# Altium PCB uz_d_absolute_encoder.PcbDoc (part 1 of 2) (continued)
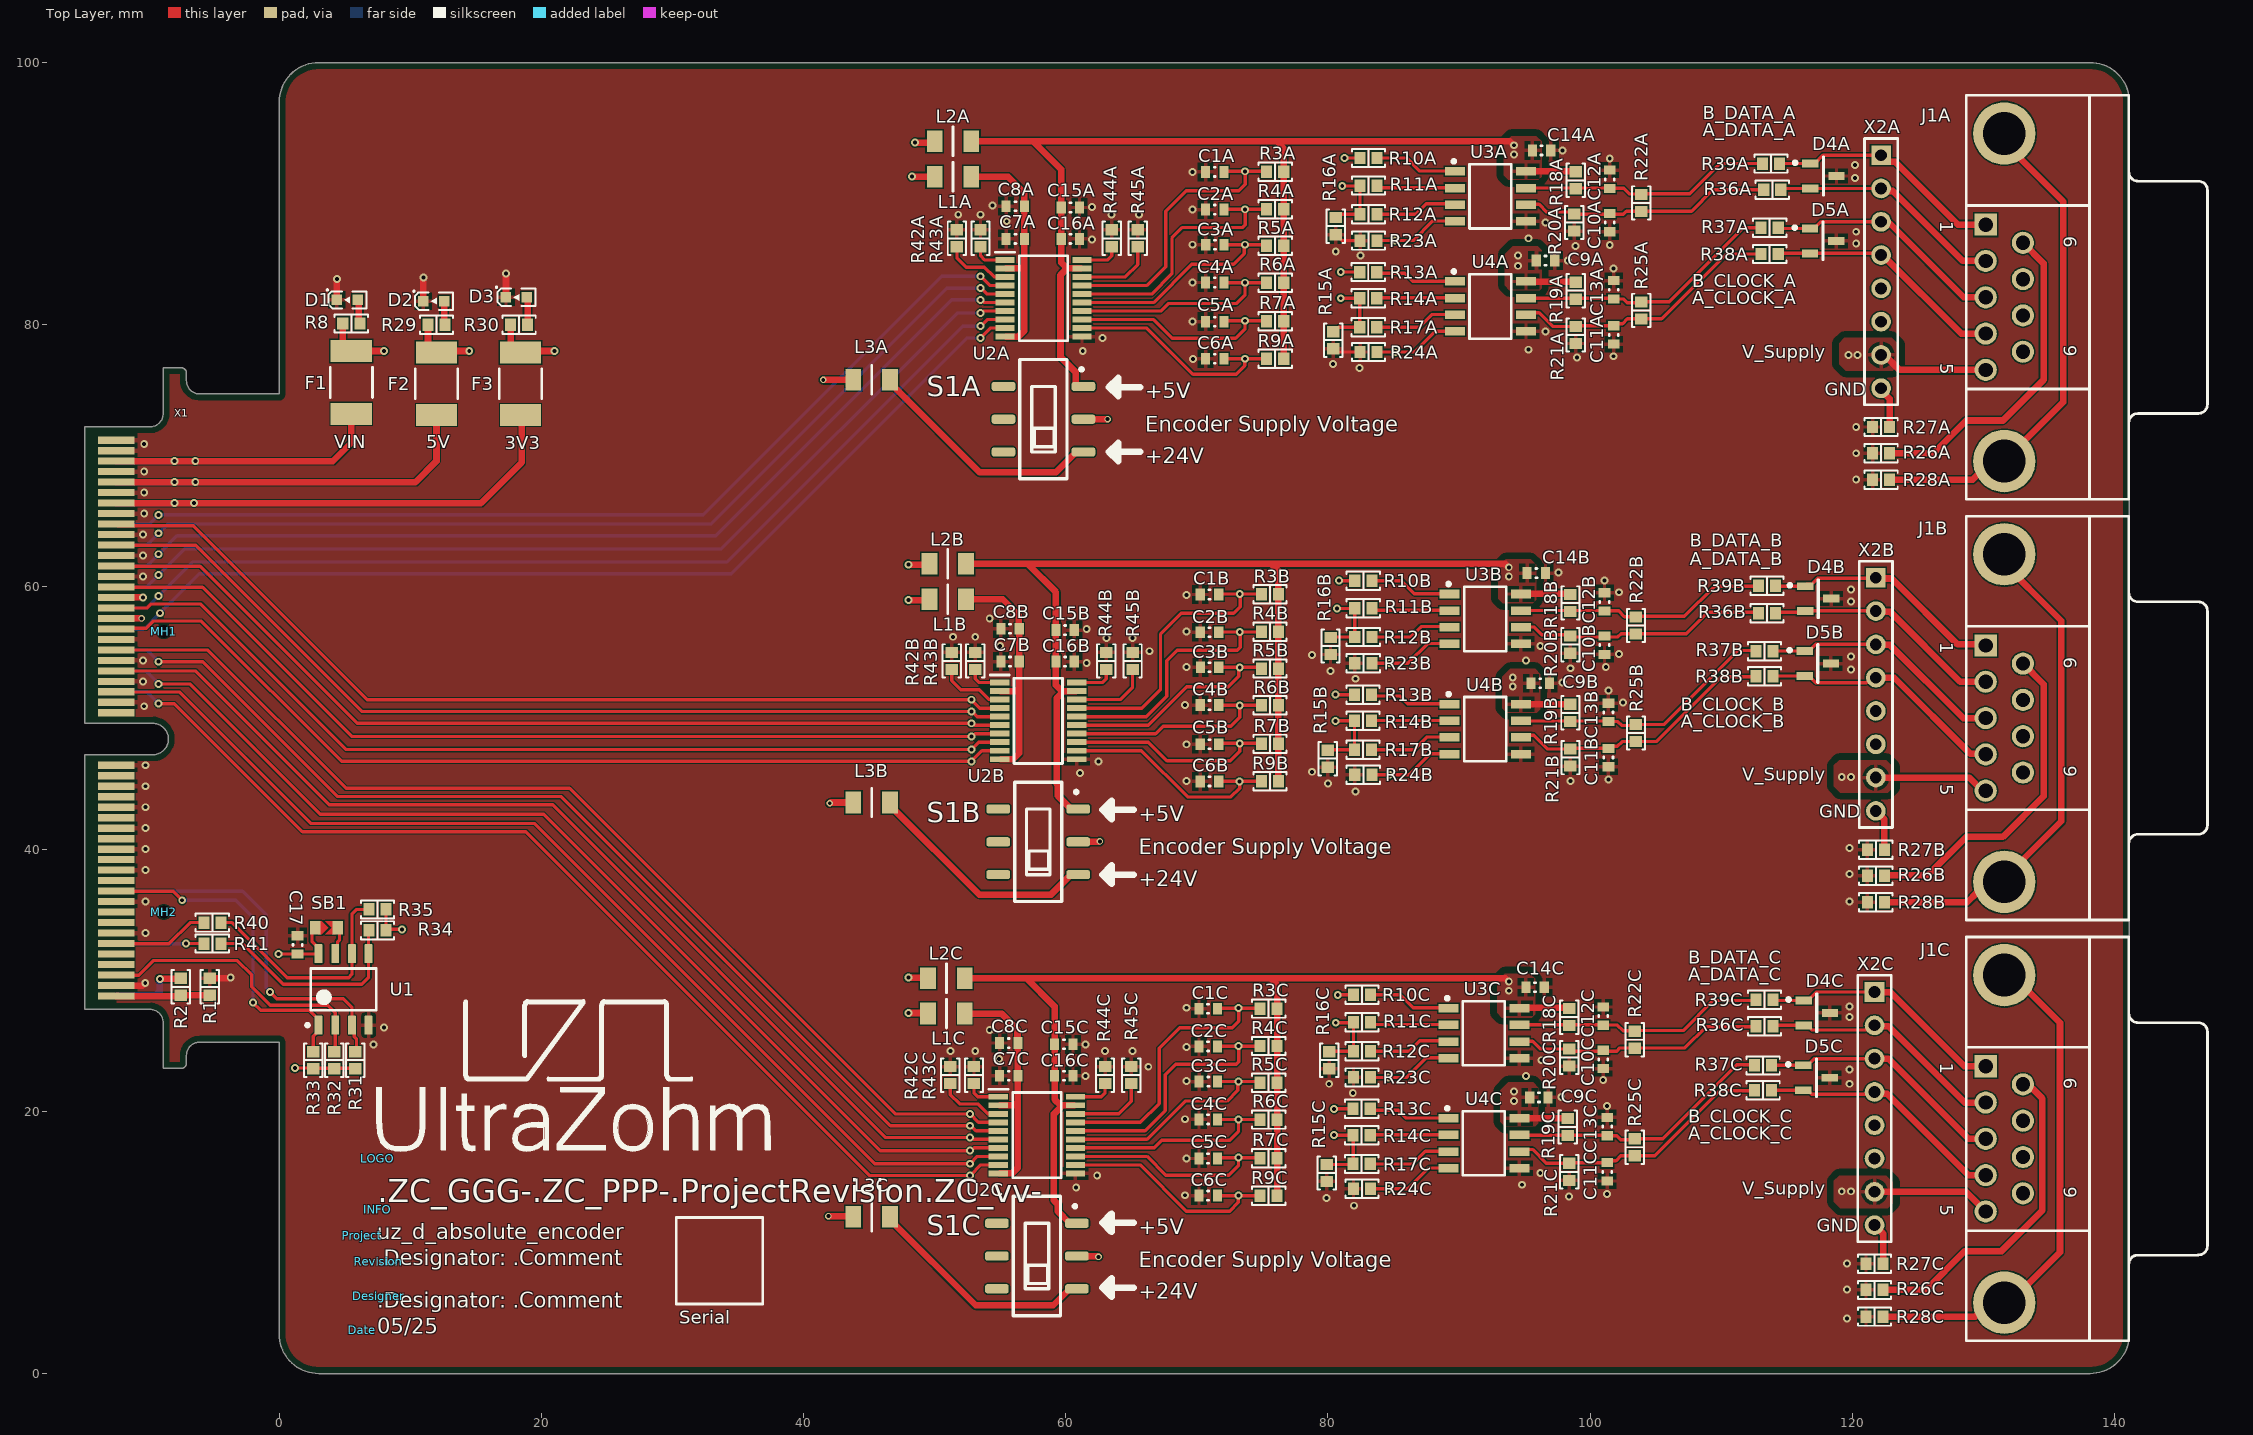
[diagram p0: Top Layer view]
## Design rules (kind name [scope] priority, off if disabled: settings)
AssemblyTestPointUsage [InNetClass('3V3_SingleEnded') or InNetClass('5V_SingleEnded') or InNetClass('15V_SingleEnded') or InNetClass('DifferentialSignals')] p1:
BoardOutlineClearance [All] p1: gap=0.5 ignorepadtopadclearanceinfootprint=FALSE except(0: Arc-SplitContinuation Track-SplitContinuation SMDPad-SplitContinuation THPad-SplitContinuation Via-SplitContinuation Fill-SplitContinuation Poly-SplitContinuation Region-SplitContinuation Text-SplitContinuation)
Clearance Clearance_Differential [InNetClass('DifferentialSignals')] p1: gap=0.1 ignorepadtopadclearanceinfootprint=TRUE except(0: Arc-Hole Track-Hole SMDPad-Hole THPad-Hole Via-Hole Fill-Hole Poly-Hole Region-Hole Text-Hole; 0.3: SMDPad-Via; 0.4: THPad-Via)
Clearance Clearance_Power [InNetClass('Power')] p2: gap=0.1 ignorepadtopadclearanceinfootprint=TRUE except(0: Arc-Hole Track-Hole SMDPad-Hole THPad-Hole Via-Hole Fill-Hole Poly-Hole Region-Hole Text-Hole; 0.15: Via-Poly; 0.2: Track-Poly; 0.25: THPad-Poly; 0.3: Fill-Poly Poly-Region; 0.5: Poly-Poly)
Clearance [All] p3: gap=0.1 ignorepadtopadclearanceinfootprint=TRUE except(0.4: SMDPad-Via THPad-Via; 0.5: Poly-Poly)
ComponentClearance [All] p1: gap=0.1 collisioncheckmode=3 verticalgap=0.1 showdistances=FALSE
DiffPairsRouting [InNetClass('DifferentialSignals')] p1: maxlimit=0.25 minlimit=0.127 mostfreqgap=0.241 toplayer_maxgap=0.127 toplayer_prefgap=0.127 toplayer_minwidth=0.285 toplayer_maxwidth=0.286 toplayer_prefwidth=0.293 midlayer1_minwidth=0.069 midlayer1_maxwidth=0.15 midlayer1_prefwidth=0.15 midlayer2_mingap=0.165 midlayer2_minwidth=0.1 midlayer2_maxwidth=0.15 midlayer2_prefwidth=0.15 bottomlayer_maxgap=0.127 bottomlayer_prefgap=0.127 bottomlayer_minwidth=0.285 bottomlayer_maxwidth=0.285 bottomlayer_prefwidth=0.293 impedanceprofiledriven=TRUE impedanceprofileid={5F7DE71B-7B0B-4CDE-8AE7-8AD61221F3A5} impedanceprofilevalue=100.000000 maxuncoupledlength=12.7
FanoutControl Fanout_Power [InNetClass('Power') or InNet('ENABLE')] p1: bgadir=Out bgaviamode=Centered fanoutstyle=Auto fanoutdirection=None viagrid=0.025
FanoutControl Fanout_RS422 [InNetClass('DifferentialSignals')] p2: bgadir=Out bgaviamode=Closest fanoutstyle=Rows fanoutdirection=OutOnly viagrid=0.025
FanoutControl Fanout_BGA [IsBGA] p3 off: bgadir=Out bgaviamode=Centered fanoutstyle=Auto fanoutdirection=Alternating viagrid=0.025 // Fanout_BGA (Default Rule)
FanoutControl Fanout_LCC [IsLCC] p4 off: bgadir=Out bgaviamode=Centered fanoutstyle=Auto fanoutdirection=Alternating viagrid=0.025 // Fanout_LCC (Default Rule)
FanoutControl Fanout_SOIC [IsSOIC] p5 off: bgadir=Out bgaviamode=Centered fanoutstyle=Auto fanoutdirection=Alternating viagrid=0.025 // Fanout_SOIC (Default Rule)
FanoutControl Fanout_Small [(CompPinCount < 5)] p6 off: bgadir=Out bgaviamode=Centered fanoutstyle=Auto fanoutdirection=OutThenIn viagrid=0.025 // Fanout_Small (Default Rule)
FanoutControl Fanout_Default [All] p7: bgadir=NE bgaviamode=Closest fanoutstyle=Rows fanoutdirection=InOnly viagrid=0.025 // Fanout_Default (Default Rule)
Height [All] p1: minheight=0 maxheight=50 prefheight=12.7
HoleSize [All] p1: absolutevalues=TRUE maxlimit=4 minlimit=0.025 maxpercent=80.000 minpercent=20.000
PolygonConnect PolygonConnect_Therm [HoleSize > 2.6] p1: connectstyle=Direct reliefconductorwidth=0.254 reliefentries=4 polygonreliefangle="90 Angle" airgapwidth=0.254
PolygonConnect PolygonConnect_via [InPadClass('pad') or IsVia] p2: connectstyle=Direct reliefconductorwidth=0.254 reliefentries=4 polygonreliefangle="90 Angle" airgapwidth=0.254
PolygonConnect [All] p3: connectstyle=Relief reliefconductorwidth=0.3 reliefentries=4 polygonreliefangle="90 Angle" airgapwidth=0.25
RoomDefinition Component_LowerEdgeKeepOut [All] p1: confinementstyle=ConfineOut formatcopy=TRUE lockcomponents=FALSE outline 0,0 142,0 142,3 0,3
RoomDefinition Component_UpperEdgeKeepOut [All] p2: confinementstyle=ConfineOut formatcopy=TRUE lockcomponents=FALSE outline 0,97 142,97 142,100 0,100
RoutingLayers RoutingLayers_3V3Signals [InNetClass('3V3_SingleEnded')] p1 off: top layer_v5=TRUE mid layer 1_v5=TRUE mid layer 2_v5=TRUE bottom layer_v5=TRUE
RoutingLayers RoutingLayers_SingleEnded [InNetClass('15V_SingleEnded') or InNetClass('3V3_SingleEnded') or InNetClass('5V_SingleEnded')] p2 off: top layer_v5=TRUE mid layer 1_v5=TRUE mid layer 2_v5=TRUE bottom layer_v5=TRUE
RoutingLayers RoutingLayers_Differential [InNetClass('DifferentialSignals')] p3 off: top layer_v5=TRUE mid layer 1_v5=TRUE mid layer 2_v5=TRUE bottom layer_v5=FALSE
RoutingLayers [All] p4: top layer_v5=TRUE mid layer 1_v5=TRUE mid layer 2_v5=TRUE bottom layer_v5=TRUE
RoutingVias [All] p1: holewidth=0.3 width=0.5 viastyle="Through Hole" minholewidth=0.2 minwidth=0.4 maxholewidth=0.5 maxwidth=1
SolderMaskExpansion [All] p1: expansion=0.102 istentingtop=FALSE
SupplyNets "Schematic Supply Nets_6" [InNet('3V3_PER')] p1: voltage=0.000
SupplyNets "Schematic Supply Nets_5" [InNet('5V_PER_fused')] p2: voltage=0.000
SupplyNets "Schematic Supply Nets_4" [InNet('3V3_PER_fused')] p3: voltage=0.000
SupplyNets "Schematic Supply Nets_3" [InNet('GND')] p4: voltage=0.000
SupplyNets "Schematic Supply Nets_2" [InNet('VIN_unfused')] p5: voltage=0.000
SupplyNets "Schematic Supply Nets_1" [InNet('5V_PER')] p6: voltage=0.000
SupplyNets "Schematic Supply Nets" [InNet('VIN_fused')] p7: voltage=0.000
UnRoutedNet UnRoutedNet_Signals [InNetClass('15V_SingleEnded') or InNetClass('3V3_SingleEnded') or InNetClass('5V_SingleEnded') or InNetClass('DifferentialSignals')] p1: checkbadconnections=TRUE
UnRoutedNet [All] p2: checkbadconnections=TRUE
Width Width_Power [InNetClass('Power')] p1: maxlimit=10 minlimit=0.2 preferedwidth=0.3 minimp=50.000000 maximp=50.000000 favimp=50.000000
Width [All] p2: maxlimit=10 minlimit=0.1 preferedwidth=0.3 midlayer1_prefwidth=0.15 midlayer2_prefwidth=0.15 minimp=50.000000 maximp=50.000000 favimp=50.000000
18 further rules are at their usual default settings.

## Classes and differential pairs
channel class Encoder_Interface: encoderA encoderB encoderC
net class TX-S_DATA_SH[1..3]: DIG_IO_2 DIG_IO_3 DIG_IO_13
net class TX-S_CLOCK_SH[1..3]: DIG_IO_8 DIG_IO_9 DIG_IO_16
net class RX-S_DATA_SH[1..3]: DIG_IO_0 DIG_IO_1 DIG_IO_12
net class RX-S_CLOCK_SH[1..3]: DIG_IO_6 DIG_IO_7 DIG_IO_15
net class READ_WRITE_DATA_SH[1..3]: DIG_IO_4 DIG_IO_5 DIG_IO_14
net class READ_WRITE_CLOCK_SH[1..3]: DIG_IO_10 DIG_IO_11 DIG_IO_17
net class DIG_IO_[0..29]: DIG_IO_0 DIG_IO_1 DIG_IO_2 DIG_IO_3 DIG_IO_4 DIG_IO_5 DIG_IO_6 DIG_IO_7 DIG_IO_8 DIG_IO_9 DIG_IO_10 DIG_IO_11 DIG_IO_12 DIG_IO_13 DIG_IO_14 DIG_IO_15 DIG_IO_16 DIG_IO_17 DIG_IO_18 DIG_IO_19 DIG_IO_20 DIG_IO_21 DIG_IO_22 DIG_IO_23 DIG_IO_24 DIG_IO_25 DIG_IO_26 DIG_IO_27 DIG_IO_28 DIG_IO_29
component class encoderC: C1C C2C C3C C4C C5C C6C C7C C8C C9C C10C C11C C12C C13C C14C C15C C16C D4C D5C J1C L1C L2C L3C R3C R4C R5C R6C R7C R9C R10C R11C R12C R13C R14C R15C R16C R17C R18C R19C R20C R21C R22C R23C R24C R25C R26C R27C R28C R36C R37C R38C R39C R42C R43C R44C R45C S1C U2C U3C U4C X2C
component class encoderB: C1B C2B C3B C4B C5B C6B C7B C8B C9B C10B C11B C12B C13B C14B C15B C16B D4B D5B J1B L1B L2B L3B R3B R4B R5B R6B R7B R9B R10B R11B R12B R13B R14B R15B R16B R17B R18B R19B R20B R21B R22B R23B R24B R25B R26B R27B R28B R36B R37B R38B R39B R42B R43B R44B R45B S1B U2B U3B U4B X2B
component class encoderA: C1A C2A C3A C4A C5A C6A C7A C8A C9A C10A C11A C12A C13A C14A C15A C16A D4A D5A J1A L1A L2A L3A R3A R4A R5A R6A R7A R9A R10A R11A R12A R13A R14A R15A R16A R17A R18A R19A R20A R21A R22A R23A R24A R25A R26A R27A R28A R36A R37A R38A R39A R42A R43A R44A R45A S1A U2A U3A U4A X2A
component class CarrierConnector: C17 D1 D2 D3 F1 F2 F3 R1 R2 R8 R29 R30 R31 R32 R33 R34 R35 R40 R41 SB1 U1 X1

## Components (designator, comment, footprint, x,y, rotation, side; value= is the part's Value field where it differs from the comment)
C1A "1 nF" C_0603 71.368,91.667 r0 top (schematic designator C1)
C1B "1 nF" C_0603 70.968,59.427 r0 top (schematic designator C1)
C1C "1 nF" C_0603 70.868,27.827 r0 top (schematic designator C1)
C2A "1 nF" C_0603 71.368,88.789 r0 top (schematic designator C2)
C2B "1 nF" C_0603 70.968,56.549 r0 top (schematic designator C2)
C2C "1 nF" C_0603 70.868,24.949 r0 top (schematic designator C2)
C3A "1 nF" C_0603 71.378,86.111 r0 top (schematic designator C3)
C3B "1 nF" C_0603 70.978,53.871 r0 top (schematic designator C3)
C3C "1 nF" C_0603 70.878,22.271 r0 top (schematic designator C3)
C4A "1 nF" C_0603 71.368,83.226 r0 top (schematic designator C4)
C4B "1 nF" C_0603 70.968,50.986 r0 top (schematic designator C4)
C4C "1 nF" C_0603 70.868,19.386 r0 top (schematic designator C4)
C5A "1 nF" C_0603 71.368,80.241 r0 top (schematic designator C5)
C5B "1 nF" C_0603 70.968,48.001 r0 top (schematic designator C5)
C5C "1 nF" C_0603 70.868,16.401 r0 top (schematic designator C5)
C6A "1 nF" C_0603 71.368,77.411 r0 top (schematic designator C6)
C6B "1 nF" C_0603 70.968,45.171 r0 top (schematic designator C6)
C6C "1 nF" C_0603 70.868,13.571 r0 top (schematic designator C6)
C7A "100 nF" C_0603 56.153,86.55 r0 top (schematic designator C7)
C7B "100 nF" C_0603 55.753,54.31 r0 top (schematic designator C7)
C7C "100 nF" C_0603 55.653,22.71 r0 top (schematic designator C7)
C8A "100 nF" C_0603 56.153,89.05 r0 top (schematic designator C8)
C8B "100 nF" C_0603 55.753,56.81 r0 top (schematic designator C8)
C8C "100 nF" C_0603 55.653,25.21 r0 top (schematic designator C8)
C9A "100 nF" C_0603 96.6,84.9 r180 top (schematic designator C9)
C9B "100 nF" C_0603 96.2,52.66 r180 top (schematic designator C9)
C9C "100 nF" C_0603 96.1,21.06 r180 top (schematic designator C9)
C10A "1 nF" C_0603 101.5,87.8 r90 top (schematic designator C10)
C10B "1 nF" C_0603 101.1,55.56 r90 top (schematic designator C10)
C10C "1 nF" C_0603 101,23.96 r90 top (schematic designator C10)
C11A "1 nF" C_0603 101.803,79.225 r90 top (schematic designator C11)
C11B "1 nF" C_0603 101.403,46.985 r90 top (schematic designator C11)
C11C "1 nF" C_0603 101.303,15.385 r90 top (schematic designator C11)
C12A "1 nF" C_0603 101.5,91.1 r90 top (schematic designator C12)
C12B "1 nF" C_0603 101.1,58.86 r90 top (schematic designator C12)
C12C "1 nF" C_0603 101,27.26 r90 top (schematic designator C12)
C13A "1 nF" C_0603 101.803,82.675 r90 top (schematic designator C13)
C13B "1 nF" C_0603 101.403,50.435 r90 top (schematic designator C13)
C13C "1 nF" C_0603 101.303,18.835 r90 top (schematic designator C13)
C14A "100 nF" C_0603 96.3,93.3 r180 top (schematic designator C14)
C14B "100 nF" C_0603 95.9,61.06 r180 top (schematic designator C14)
C14C "100 nF" C_0603 95.8,29.46 r180 top (schematic designator C14)
C15A "100 nF" C_0603 60.353,88.95 r180 top (schematic designator C15)
C15B "100 nF" C_0603 59.953,56.71 r180 top (schematic designator C15)
C15C "100 nF" C_0603 59.853,25.11 r180 top (schematic designator C15)
C16A "100 nF" C_0603 60.353,86.55 r180 top (schematic designator C16)
C16B "100 nF" C_0603 59.953,54.31 r180 top (schematic designator C16)
C16C "100 nF" C_0603 59.853,22.71 r180 top (schematic designator C16)
C17 "100 nF" C_0603 1.4,32.7 r270 top
D1 "150060BS84000" WL-SMCW_0603 5.2,81.9 r0 top
D2 "KT-0603R" WL-SMCW_0603 11.8,81.8 r0 top
D3 "19-217/GHC-YR1S2/3T" WL-SMCW_0603 18.1,82.1 r0 top
D4A "CDSOT23-SM712" SOT95P230X117-3N 117.8,91.35 r0 top value=7V (schematic designator D4)
D4B "CDSOT23-SM712" SOT95P230X117-3N 117.4,59.11 r0 top value=7V (schematic designator D4)
D4C "CDSOT23-SM712" SOT95P230X117-3N 117.3,27.51 r0 top value=7V (schematic designator D4)
D5A "CDSOT23-SM712" SOT95P230X117-3N 117.775,86.4 r0 top value=7V (schematic designator D5)
D5B "CDSOT23-SM712" SOT95P230X117-3N 117.375,54.16 r0 top value=7V (schematic designator D5)
D5C "CDSOT23-SM712" SOT95P230X117-3N 117.275,22.56 r0 top value=7V (schematic designator D5)
Date "05/25" COMMENT 6.33,3.3 r0 top
Designer "TG/MH" Designator:comment 7.6,5.9 r0 top
F1 "Littelfuse_PTC_1812" 1812_PTC_Polyfuse_Littelfuse 5.5,75.6 r90 top value="PTC, 1.1 A, 24V"
F2 "Littelfuse_PTC_1812" 1812_PTC_Polyfuse_Littelfuse 12,75.5 r90 top value="PTC, 1.1 A, 24V"
F3 "Littelfuse_PTC_1812" 1812_PTC_Polyfuse_Littelfuse 18.4,75.5 r90 top value="PTC, 1.1 A, 24V"
INFO "ZC Serialnumber" ZC-Serial 7.5,12.5 r0 top value=GGG-PPP-VVvv
J1A "DSUB1.385-2H9" DSUB1.385-2H9 141.1,82.1 r270 top locked (schematic designator J1)
J1B "DSUB1.385-2H9" DSUB1.385-2H9 141.1,50 r270 top locked (schematic designator J1)
J1C "DSUB1.385-2H9" DSUB1.385-2H9 141.1,17.9 r270 top locked (schematic designator J1)
L1A "BLM31PG330SN1L" "IND 1206_3216" 51.4,91.3 r0 top value=33ohms (schematic designator L1)
L1B "BLM31PG330SN1L" "IND 1206_3216" 51,59.06 r0 top value=33ohms (schematic designator L1)
L1C "BLM31PG330SN1L" "IND 1206_3216" 50.9,27.46 r0 top value=33ohms (schematic designator L1)
L2A "BLM31PG330SN1L" "IND 1206_3216" 51.4,94 r0 top value=33ohms (schematic designator L2)
L2B "BLM31PG330SN1L" "IND 1206_3216" 51,61.76 r0 top value=33ohms (schematic designator L2)
L2C "BLM31PG330SN1L" "IND 1206_3216" 50.9,30.16 r0 top value=33ohms (schematic designator L2)
L3A "BLM31PG330SN1L" "IND 1206_3216" 45.2,75.801 r0 top value=33ohms (schematic designator L3)
L3B "BLM31PG330SN1L" "IND 1206_3216" 45.2,43.56 r0 top value=33ohms (schematic designator L3)
L3C "BLM31PG330SN1L" "IND 1206_3216" 45.2,11.96 r0 top value=33ohms (schematic designator L3)
LOGO "UZ Logo" UZ_Logo_small 7.5,16.4 r0 top
MH1 "alignment hole 1mm" MH_1#1 -17.521,60.447 r90 top
MH2 "alignment hole 1mm" MH_1#2 -12.221,60.447 r90 top
Project "uz_d_absolute_encoder" COMMENT 6.33,10.51 r0 top
R1 "0R" "RES 0603_1608" -5.3,29.5 r270 top
R2 "0R" "RES 0603_1608" -7.5,29.5 r270 top
R3A "1k" "RES 0603_1608" 75.978,91.678 r0 top (schematic designator R3)
R3B "1k" "RES 0603_1608" 75.578,59.438 r0 top (schematic designator R3)
R3C "1k" "RES 0603_1608" 75.478,27.838 r0 top (schematic designator R3)
R4A "1k" "RES 0603_1608" 75.978,88.825 r0 top (schematic designator R4)
R4B "1k" "RES 0603_1608" 75.578,56.585 r0 top (schematic designator R4)
R4C "1k" "RES 0603_1608" 75.478,24.985 r0 top (schematic designator R4)
R5A "1k" "RES 0603_1608" 75.978,86.019 r0 top (schematic designator R5)
R5B "1k" "RES 0603_1608" 75.578,53.779 r0 top (schematic designator R5)
R5C "1k" "RES 0603_1608" 75.478,22.179 r0 top (schematic designator R5)
R6A "1k" "RES 0603_1608" 75.978,83.211 r0 top (schematic designator R6)
R6B "1k" "RES 0603_1608" 75.578,50.971 r0 top (schematic designator R6)
R6C "1k" "RES 0603_1608" 75.478,19.371 r0 top (schematic designator R6)
R7A "1k" "RES 0603_1608" 75.978,80.268 r0 top (schematic designator R7)
R7B "1k" "RES 0603_1608" 75.578,48.028 r0 top (schematic designator R7)
R7C "1k" "RES 0603_1608" 75.478,16.428 r0 top (schematic designator R7)
R8 "24k9" "RES 0603_1608" 5.5,80.1 r180 top
R9A "1k" "RES 0603_1608" 75.978,77.411 r0 top (schematic designator R9)
R9B "1k" "RES 0603_1608" 75.578,45.171 r0 top (schematic designator R9)
R9C "1k" "RES 0603_1608" 75.478,13.571 r0 top (schematic designator R9)
R10A "0R" "RES 0603_1608" 83.103,92.725 r0 top (schematic designator R10)
R10B "0R" "RES 0603_1608" 82.703,60.485 r0 top (schematic designator R10)
R10C "0R" "RES 0603_1608" 82.603,28.885 r0 top (schematic designator R10)
R11A "0R" "RES 0603_1608" 83.103,90.625 r0 top (schematic designator R11)
R11B "0R" "RES 0603_1608" 82.703,58.385 r0 top (schematic designator R11)
R11C "0R" "RES 0603_1608" 82.603,26.785 r0 top (schematic designator R11)
R12A "0R" "RES 0603_1608" 83.103,88.425 r0 top (schematic designator R12)
R12B "0R" "RES 0603_1608" 82.703,56.185 r0 top (schematic designator R12)
R12C "0R" "RES 0603_1608" 82.603,24.585 r0 top (schematic designator R12)
R13A "0R" "RES 0603_1608" 83.078,84.025 r0 top (schematic designator R13)
R13B "0R" "RES 0603_1608" 82.678,51.785 r0 top (schematic designator R13)
R13C "0R" "RES 0603_1608" 82.578,20.185 r0 top (schematic designator R13)
R14A "0R" "RES 0603_1608" 83.078,82.025 r0 top (schematic designator R14)
R14B "0R" "RES 0603_1608" 82.678,49.785 r0 top (schematic designator R14)
R14C "0R" "RES 0603_1608" 82.578,18.185 r0 top (schematic designator R14)
R15A "10k" "RES 0603_1608" 80.403,78.825 r90 top (schematic designator R15)
R15B "10k" "RES 0603_1608" 80,46.9 r90 top (schematic designator R15)
R15C "10k" "RES 0603_1608" 79.9,15.3 r90 top (schematic designator R15)
R16A "10k" "RES 0603_1608" 80.603,87.525 r90 top (schematic designator R16)
R16B "10k" "RES 0603_1608" 80.2,55.5 r90 top (schematic designator R16)
R16C "10k" "RES 0603_1608" 80.1,23.9 r90 top (schematic designator R16)
R17A "0R" "RES 0603_1608" 83.078,79.825 r0 top (schematic designator R17)
R17B "0R" "RES 0603_1608" 82.678,47.585 r0 top (schematic designator R17)
R17C "0R" "RES 0603_1608" 82.578,15.985 r0 top (schematic designator R17)
R18A "1k" "RES 0603_1608" 98.903,91.025 r90 top (schematic designator R18)
R18B "1k" "RES 0603_1608" 98.503,58.785 r90 top (schematic designator R18)
R18C "1k" "RES 0603_1608" 98.403,27.185 r90 top (schematic designator R18)
R19A "1k" "RES 0603_1608" 98.9,82.6 r90 top (schematic designator R19)
R19B "1k" "RES 0603_1608" 98.5,50.4 r90 top (schematic designator R19)
R19C "1k" "RES 0603_1608" 98.3,18.8 r90 top (schematic designator R19)
R20A "1k" "RES 0603_1608" 98.8,87.8 r90 top (schematic designator R20)
R20B "1k" "RES 0603_1608" 98.5,55.6 r90 top (schematic designator R20)
R20C "1k" "RES 0603_1608" 98.4,24.1 r90 top (schematic designator R20)
R21A "1k" "RES 0603_1608" 98.903,79.225 r90 top (schematic designator R21)
R21B "1k" "RES 0603_1608" 98.503,46.985 r90 top (schematic designator R21)
R21C "1k" "RES 0603_1608" 98.403,15.385 r90 top (schematic designator R21)
R22A "120R" "RES 0603_1608" 103.9,89.3 r90 top (schematic designator R22)
R22B "120R" "RES 0603_1608" 103.5,57.06 r90 top (schematic designator R22)
R22C "120R" "RES 0603_1608" 103.4,25.46 r90 top (schematic designator R22)
R23A "10k" "RES 0603_1608" 83.103,86.425 r0 top (schematic designator R23)
R23B "10k" "RES 0603_1608" 82.703,54.185 r0 top (schematic designator R23)
R23C "10k" "RES 0603_1608" 82.603,22.585 r0 top (schematic designator R23)
R24A "10k" "RES 0603_1608" 83.103,77.925 r0 top (schematic designator R24)
R24B "10k" "RES 0603_1608" 82.703,45.685 r0 top (schematic designator R24)
R24C "10k" "RES 0603_1608" 82.603,14.085 r0 top (schematic designator R24)
R25A "120R" "RES 0603_1608" 103.9,81.1 r90 top (schematic designator R25)
R25B "120R" "RES 0603_1608" 103.5,48.86 r90 top (schematic designator R25)
R25C "120R" "RES 0603_1608" 103.4,17.26 r90 top (schematic designator R25)
R26A "0R" "RES 0603_1608" 122.2,70.213 r180 top (schematic designator R26)
R26B "0R" "RES 0603_1608" 121.8,37.973 r180 top (schematic designator R26)
R26C "0R" "RES 0603_1608" 121.7,6.373 r180 top (schematic designator R26)
R27A "0R" "RES 0603_1608" 122.2,72.204 r180 top (schematic designator R27)
R27B "0R" "RES 0603_1608" 121.8,39.964 r180 top (schematic designator R27)
R27C "0R" "RES 0603_1608" 121.7,8.364 r180 top (schematic designator R27)
R28A "0R" "RES 0603_1608" 122.2,68.182 r0 top (schematic designator R28)
R28B "0R" "RES 0603_1608" 121.8,35.942 r0 top (schematic designator R28)
R28C "0R" "RES 0603_1608" 121.7,4.342 r0 top (schematic designator R28)
R29 "4k7" "RES 0603_1608" 12,80 r180 top
R30 "2k2" "RES 0603_1608" 18.3,80 r180 top
R31 "4k7" "RES 0603_1608" 5.8,23.9 r270 top
R32 "4k7" "RES 0603_1608" 4.2,23.9 r270 top
R33 "4k7" "RES 0603_1608" 2.6,23.9 r270 top
R34 "100k" "RES 0603_1608" 7.5,33.8 r0 top
R35 "100k" "RES 0603_1608" 7.5,35.4 r0 top
R36A "10R" "RES 0603_1608" 113.9,90.3 r0 top (schematic designator R36)
R36B "10R" "RES 0603_1608" 113.5,58 r0 top (schematic designator R36)
R36C "10R" "RES 0603_1608" 113.3,26.5 r0 top (schematic designator R36)
R37A "10R" "RES 0603_1608" 113.7,87.4 r0 top (schematic designator R37)
R37B "10R" "RES 0603_1608" 113.3,55.1 r0 top (schematic designator R37)
R37C "10R" "RES 0603_1608" 113.2,23.5 r0 top (schematic designator R37)
R38A "10R" "RES 0603_1608" 113.7,85.4 r0 top (schematic designator R38)
R38B "10R" "RES 0603_1608" 113.3,53.2 r0 top (schematic designator R38)
R38C "10R" "RES 0603_1608" 113.2,21.6 r0 top (schematic designator R38)
R39A "10R" "RES 0603_1608" 113.8,92.3 r0 top (schematic designator R39)
R39B "10R" "RES 0603_1608" 113.5,60.1 r0 top (schematic designator R39)
R39C "10R" "RES 0603_1608" 113.3,28.5 r0 top (schematic designator R39)
R40 "0R" "RES 0603_1608" -5.1,34.4 r0 top
R41 "0R" "RES 0603_1608" -5.1,32.8 r180 top
R42A "100k" "RES 0603_1608" 51.7,86.6 r90 top (schematic designator R42)
R42B "100k" "RES 0603_1608" 51.3,54.36 r90 top (schematic designator R42)
R42C "100k" "RES 0603_1608" 51.2,22.76 r90 top (schematic designator R42)
R43A "100k" "RES 0603_1608" 53.5,86.6 r90 top (schematic designator R43)
R43B "100k" "RES 0603_1608" 53.1,54.36 r90 top (schematic designator R43)
R43C "100k" "RES 0603_1608" 53,22.76 r90 top (schematic designator R43)
R44A "100k" "RES 0603_1608" 63.5,86.6 r90 top (schematic designator R44)
R44B "100k" "RES 0603_1608" 63.1,54.36 r90 top (schematic designator R44)
R44C "100k" "RES 0603_1608" 63,22.76 r90 top (schematic designator R44)
R45A "100k" "RES 0603_1608" 65.5,86.6 r90 top (schematic designator R45)
R45B "100k" "RES 0603_1608" 65.1,54.36 r90 top (schematic designator R45)
R45C "100k" "RES 0603_1608" 65,22.76 r90 top (schematic designator R45)
Revision "02" Designator:comment 7.6,8.519 r0 top
S1A "SS-3235S-L1" SS-3235S-L1 58.303,72.8 r270 top value=DPDT (schematic designator S1)
S1B "SS-3235S-L1" SS-3235S-L1 57.903,40.56 r270 top value=DPDT (schematic designator S1)
S1C "SS-3235S-L1" SS-3235S-L1 57.803,8.96 r270 top value=DPDT (schematic designator S1)
SB1 "Solder Bump 0603" SB_0603 3.6,34 r180 top
Serial "Serial #" SERIAL 32.3,10.7 r0 top
U1 "M24C02-WMN6TP" D0008A_N 4.912,29.3 r90 top
U2A "TXB0108PWR" SOP65P640X120-20N 58.303,82.025 r0 top value="3.6 - 5.5V" (schematic designator U2)
U2B "TXB0108PWR" SOP65P640X120-20N 57.903,49.785 r0 top value="3.6 - 5.5V" (schematic designator U2)
U2C "TXB0108PWR" SOP65P640X120-20N 57.803,18.185 r0 top value="3.6 - 5.5V" (schematic designator U2)